# KiCad board openot rev2.kicad_pcb
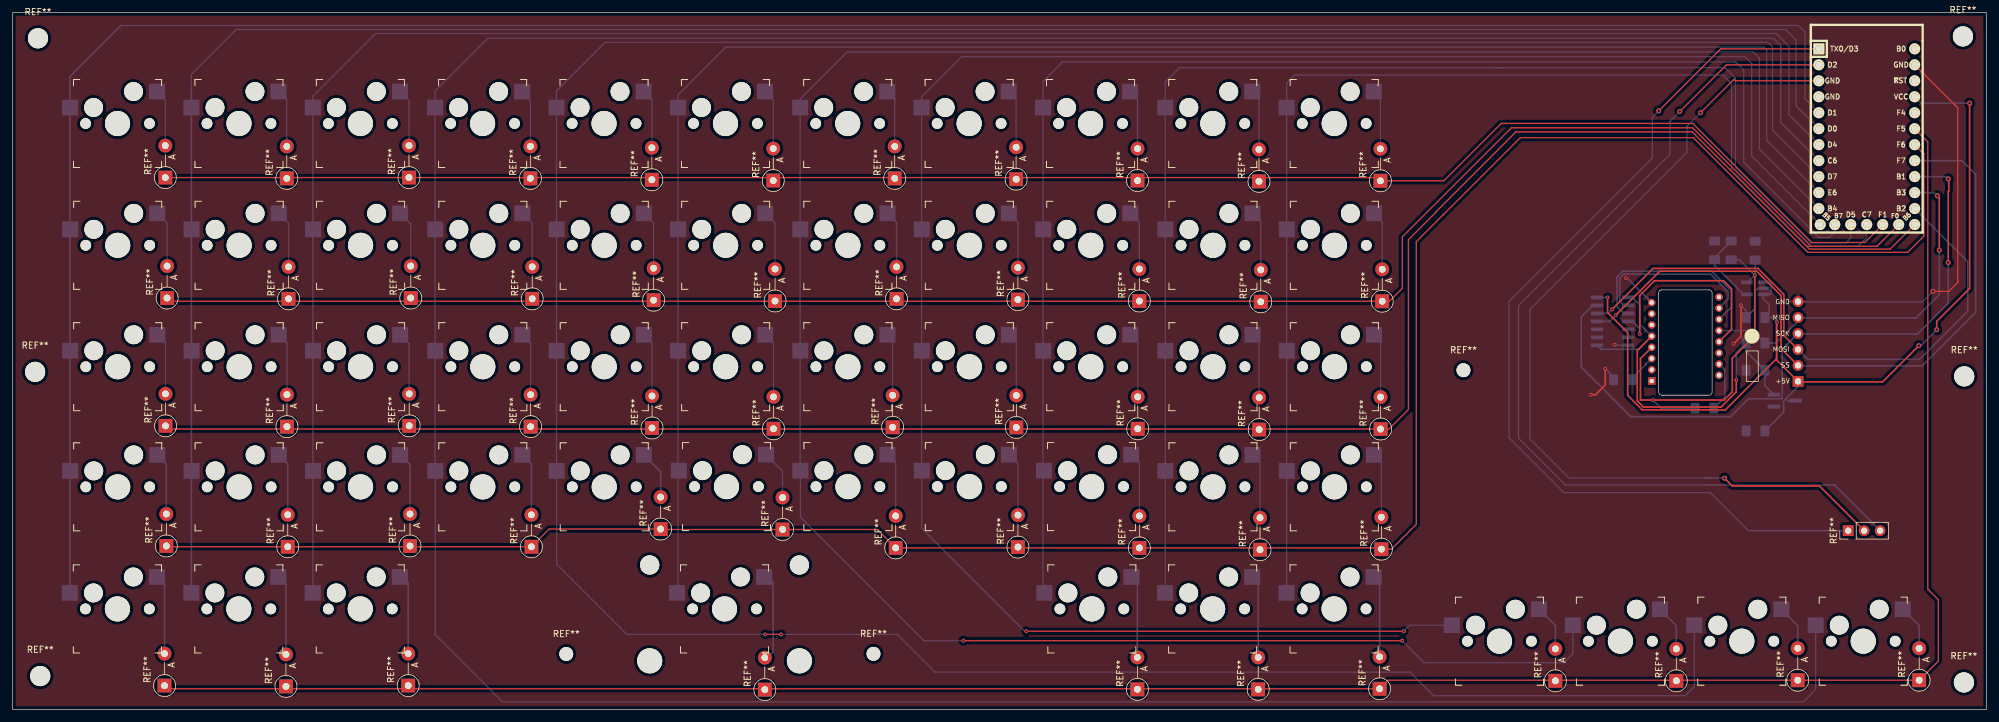
[diagram p0: board, top side]
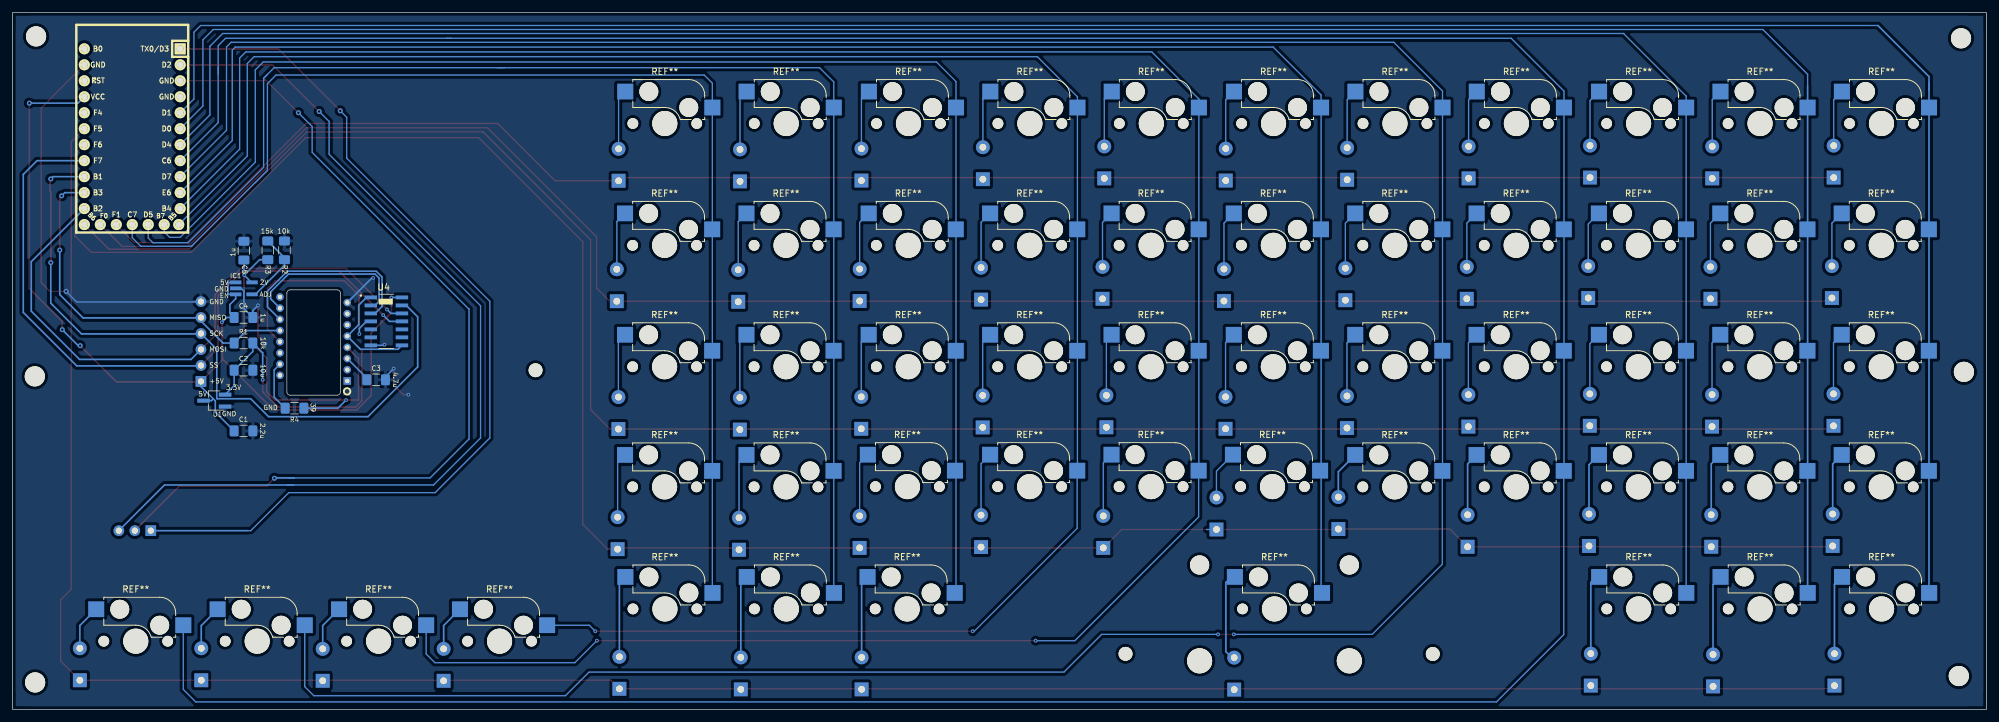
[diagram p1: board, bottom side, seen from below]

Outline 313.79 x 110.79 mm; copper layers: Top, Bottom. Coordinates in mm from the lower left corner of the outline.
Outline path: rectangle 0,110.79 313.79,0 ; 261.68,66.21 arc(261.83,66.56) 262.18,66.71 269.68,66.71 arc(270.04,66.56) 270.18,66.21 270.18,50.46 arc(270.04,50.1) 269.68,49.96 262.18,49.96 arc(261.83,50.1) 261.68,50.46 261.68,66.21
Stack: Top 0.035mm / dielectric 1.51mm FR4 er 4.5 / Bottom 0.035mm

## Placement (name value [footprint] x y rotation side)
C1  2.2uF  [C_1206_3216Metric_Pad1.42x1.75mm_HandSolder]  277.08 44.28 180 bottom
C2  10uF  [C_1206_3216Metric_Pad1.42x1.75mm_HandSolder]  277.08 53.93 180 bottom
C3  4.7uF  [C_1206_3216Metric_Pad1.42x1.75mm_HandSolder]  256 52.41 180 bottom
C4  1uF  [C_1206_3216Metric_Pad1.42x1.75mm_HandSolder]  277.08 62.32 180 bottom
C5  1uF  [C_1206_3216Metric_Pad1.42x1.75mm_HandSolder]  277.02 72.95 90 bottom
IC1  AP7335-WG-7  [AP7331]  277.02 66.95 180 bottom
J1  Conn_01x06_Female  [PinHeader_1x06_P2.54mm_Vertical]  283.85 64.85 0 top
NOREF  -  []  266.42 76.86 0 top
NOREF#2  -  []  265.58 76.75 0 top
R1  10k  [R_1206_3216Metric_Pad1.42x1.75mm_HandSolder]  277.08 58.25 0 bottom
R2  10k  [R_1206_3216Metric_Pad1.42x1.75mm_HandSolder]  270.57 73 90 bottom
R3  15k  [R_1206_3216Metric_Pad1.42x1.75mm_HandSolder]  273.22 73 270 bottom
R4  39  [R_1206_3216Metric_Pad1.42x1.75mm_HandSolder]  268.97 47.9 0 bottom
REF**  -  [Kailh_socket_MX]  94.06 54.49 0 top
REF**#2  -  [D_DO-41_SOD81_P5.08mm_Vertical_AnodeUp]  122.4 28.61 90 top
REF**#3  -  [Kailh_socket_MX]  55.29 93.16 0 top
REF**#4  -  [MountingHole_3.2mm_M3]  310.06 107.01 0 top
REF**#5  -  [Kailh_socket_MX]  55.27 15.98 0 top
REF**#6  -  [D_DO-41_SOD81_P5.08mm_Vertical_AnodeUp]  24.44 25.99 90 top
REF**#7  -  [Kailh_socket_MX]  171.4 54.49 0 top
REF**#8  -  [D_DO-41_SOD81_P5.08mm_Vertical_AnodeUp]  178.87 44.62 90 top
REF**#9  -  [MountingHole_2.2mm_M2]  136.86 8.84 0 top
REF**#10  -  [D_DO-41_SOD81_P5.08mm_Vertical_AnodeUp]  101.63 84.22 90 top
REF**#11  -  [Kailh_socket_MX]  171.58 15.98 0 top
REF**#12  -  [Kailh_socket_MX]  132.8 35.42 0 top
REF**#13  -  [MountingHole_3.2mm_M3]  310.26 52.96 0 top
REF**#14  -  [D_DO-41_SOD81_P5.08mm_Vertical_AnodeUp]  24.57 65.41 90 top
REF**#15  -  [D_DO-41_SOD81_P5.08mm_Vertical_AnodeUp]  178.82 3.19 90 top
REF**#16  -  [D_DO-41_SOD81_P5.08mm_Vertical_AnodeUp]  24.28 84.56 90 top
REF**#17  -  [D_DO-41_SOD81_P5.08mm_Vertical_AnodeUp]  120.96 44.62 90 top
REF**#18  -  [Kailh_socket_MX]  16.72 73.79 0 top
REF**#19  -  [Kailh_socket_MX]  113.36 73.79 0 top
REF**#20  -  [Kailh_socket_MX]  113.18 15.98 0 top
REF**#21  -  [D_DO-41_SOD81_P5.08mm_Vertical_AnodeUp]  217.61 25.48 90 top
REF**#22  -  [D_DO-41_SOD81_P5.08mm_Vertical_AnodeUp]  82.35 44.96 90 top
REF**#23  -  [D_DO-41_SOD81_P5.08mm_Vertical_AnodeUp]  43.87 65.28 90 top
REF**#24  -  [D_DO-41_SOD81_P5.08mm_Vertical_AnodeUp]  103.02 28.68 90 top
REF**#25  -  [Kailh_socket_MX]  210.09 15.98 0 top
REF**#26  -  [D_DO-41_SOD81_P5.08mm_Vertical_AnodeUp]  140.4 25.68 90 top
REF**#27  -  [Kailh_socket_MX]  16.68 93.16 0 top
REF**#28  -  [Kailh_socket_MX]  74.75 73.79 0 top
REF**#29  -  [D_DO-41_SOD81_P5.08mm_Vertical_AnodeUp]  24.31 45.09 90 top
REF**#30  -  [Kailh_socket_MX]  35.97 15.98 0 top
REF**#31  -  [D_DO-41_SOD81_P5.08mm_Vertical_AnodeUp]  62.89 3.79 90 top
REF**#32  -  [D_DO-41_SOD81_P5.08mm_Vertical_AnodeUp]  159.54 84.31 90 top
REF**#33  -  [MountingHole_3.2mm_M3]  3.58 53.67 0 top
REF**#34  -  [D_DO-41_SOD81_P5.08mm_Vertical_AnodeUp]  303.1 4.64 90 top
REF**#35  -  [D_DO-41_SOD81_P5.08mm_Vertical_AnodeUp]  159.82 65.16 90 top
REF**#36  -  [Kailh_socket_MX]  36.02 54.49 0 top
REF**#37  -  [Kailh_socket_MX]  55.32 35.39 0 top
REF**#38  -  [Kailh_socket_MX]  16.72 35.39 0 top
REF**#39  -  [D_DO-41_SOD81_P5.08mm_Vertical_AnodeUp]  43.46 3.66 90 top
REF**#40  -  [Kailh_socket_MX]  190.83 35.39 0 top
REF**#41  -  [Kailh_socket_MX]  36.02 35.39 0 top
REF**#42  -  [D_DO-41_SOD81_P5.08mm_Vertical_AnodeUp]  101.66 44.75 90 top
REF**#43  -  [D_DO-41_SOD81_P5.08mm_Vertical_AnodeUp]  24.16 3.79 90 top
REF**#44  -  [MountingHole_3.2mm_M3]  4.04 106.71 0 top
REF**#45  -  [Kailh_socket_MX]  113.49 35.42 0 top
REF**#46  -  [D_DO-41_SOD81_P5.08mm_Vertical_AnodeUp]  283.8 4.64 90 top
REF**#47  -  [Kailh_socket_MX]  294.21 10.85 0 top
REF**#48  -  [Kailh_socket_MX]  132.76 93.16 0 top
REF**#49  -  [D_DO-41_SOD81_P5.08mm_Vertical_AnodeUp]  245.26 4.55 90 top
REF**#50  -  [D_DO-41_SOD81_P5.08mm_Vertical_AnodeUp]  217.45 84.05 90 top
REF**#51  -  [Kailh_socket_MX]  94.03 93.16 0 top
REF**#52  -  [D_DO-41_SOD81_P5.08mm_Vertical_AnodeUp]  217.74 64.9 90 top
REF**#53  -  [Kailh_socket_MX]  171.4 73.79 0 top
REF**#54  -  [Kailh_socket_MX]  132.79 73.79 0 top
REF**#55  -  [D_DO-41_SOD81_P5.08mm_Vertical_AnodeUp]  159.57 44.84 90 top
REF**#56  -  [D_DO-41_SOD81_P5.08mm_Vertical_AnodeUp]  63.18 25.99 90 top
REF**#57  -  [D_DO-41_SOD81_P5.08mm_Vertical_AnodeUp]  63.02 84.56 90 top
REF**#58  -  [Kailh_socket_MX]  132.79 54.49 0 top
REF**#59  -  [D_DO-41_SOD81_P5.08mm_Vertical_AnodeUp]  179.13 64.94 90 top
REF**#60  -  [Kailh_socket_MX]  74.72 93.16 0 top
REF**#61  -  [Kailh_socket_MX]  74.75 35.39 0 top
REF**#62  -  [Kailh_socket_MX]  190.83 73.79 0 top
REF**#63  -  [Kailh_socket_MX]  55.32 73.79 0 top
REF**#64  -  [Kailh_socket_MX]  210.14 73.79 0 top
REF**#65  -  [Kailh_socket_MX]  210.11 93.16 0 top
REF**#66  -  [D_DO-41_SOD81_P5.08mm_Vertical_AnodeUp]  264.49 4.55 90 top
REF**#67  -  [D_DO-41_SOD81_P5.08mm_Vertical_AnodeUp]  82.61 65.28 90 top
REF**#68  -  [D_DO-41_SOD81_P5.08mm_Vertical_AnodeUp]  198.15 83.96 90 top
REF**#69  -  [Stabilizer_MX_2u]  113.18 15.98 0 top
REF**#70  -  [Kailh_socket_MX]  171.37 93.16 0 top
REF**#71  -  [D_DO-41_SOD81_P5.08mm_Vertical_AnodeUp]  82.32 84.43 90 top
REF**#72  -  [Kailh_socket_MX]  171.53 35.42 0 top
REF**#73  -  [Kailh_socket_MX]  210.14 35.39 0 top
REF**#74  -  [D_DO-41_SOD81_P5.08mm_Vertical_AnodeUp]  178.84 84.09 90 top
REF**#75  -  [PinHeader_1x03_P2.54mm_Vertical]  291.82 28.42 90 top
REF**#76  -  [D_DO-41_SOD81_P5.08mm_Vertical_AnodeUp]  43.62 44.96 90 top
REF**#77  -  [D_DO-41_SOD81_P5.08mm_Vertical_AnodeUp]  198.3 25.39 90 top
REF**#78  -  [Kailh_socket_MX]  55.32 54.49 0 top
REF**#79  -  [D_DO-41_SOD81_P5.08mm_Vertical_AnodeUp]  43.59 84.43 90 top
REF**#80  -  [D_DO-41_SOD81_P5.08mm_Vertical_AnodeUp]  140.24 84.43 90 top
REF**#81  -  [Kailh_socket_MX]  94.06 73.79 0 top
REF**#82  -  [Kailh_socket_MX]  113.33 93.16 0 top
REF**#83  -  [Kailh_socket_MX]  274.91 10.85 0 top
REF**#84  -  [D_DO-41_SOD81_P5.08mm_Vertical_AnodeUp]  121.22 64.94 90 top
REF**#85  -  [D_DO-41_SOD81_P5.08mm_Vertical_AnodeUp]  217.48 44.58 90 top
REF**#86  -  [D_DO-41_SOD81_P5.08mm_Vertical_AnodeUp]  140.52 65.28 90 top
REF**#87  -  [D_DO-41_SOD81_P5.08mm_Vertical_AnodeUp]  179.13 25.68 90 top
REF**#88  -  [D_DO-41_SOD81_P5.08mm_Vertical_AnodeUp]  63.05 45.09 90 top
REF**#89  -  [D_DO-41_SOD81_P5.08mm_Vertical_AnodeUp]  82.48 25.86 90 top
REF**#90  -  [D_DO-41_SOD81_P5.08mm_Vertical_AnodeUp]  63.3 65.41 90 top
REF**#91  -  [Kailh_socket_MX]  74.75 54.49 0 top
REF**#92  -  [Kailh_socket_MX]  255.6 10.85 0 top
REF**#93  -  [Kailh_socket_MX]  152.1 35.42 0 top
REF**#94  -  [Kailh_socket_MX]  152.07 93.16 0 top
REF**#95  -  [D_DO-41_SOD81_P5.08mm_Vertical_AnodeUp]  120.93 84.09 90 top
REF**#96  -  [Kailh_socket_MX]  190.78 15.98 0 top
REF**#97  -  [Kailh_socket_MX]  35.99 93.16 0 top
REF**#98  -  [Kailh_socket_MX]  16.66 15.98 0 top
REF**#99  -  [Kailh_socket_MX]  236.37 10.85 0 top
REF**#100  -  [D_DO-41_SOD81_P5.08mm_Vertical_AnodeUp]  217.32 3.28 90 top
REF**#101  -  [MountingHole_2.2mm_M2]  230.65 53.93 0 top
REF**#102  -  [D_DO-41_SOD81_P5.08mm_Vertical_AnodeUp]  159.83 25.81 90 top
REF**#103  -  [MountingHole_3.2mm_M3]  4.39 5.31 0 top
REF**#104  -  [D_DO-41_SOD81_P5.08mm_Vertical_AnodeUp]  139.9 44.86 90 top
REF**#105  -  [Kailh_socket_MX]  190.83 54.49 0 top
REF**#106  -  [Kailh_socket_MX]  113.36 54.49 0 top
REF**#107  -  [Kailh_socket_MX]  36.02 73.79 0 top
REF**#108  -  [D_DO-41_SOD81_P5.08mm_Vertical_AnodeUp]  198.02 3.19 90 top
REF**#109  -  [D_DO-41_SOD81_P5.08mm_Vertical_AnodeUp]  198.43 64.81 90 top
REF**#110  -  [Kailh_socket_MX]  210.14 54.49 0 top
REF**#111  -  [Kailh_socket_MX]  152.1 73.79 0 top
REF**#112  -  [Kailh_socket_MX]  94.06 35.39 0 top
REF**#113  -  [D_DO-41_SOD81_P5.08mm_Vertical_AnodeUp]  43.75 25.86 90 top
REF**#114  -  [Kailh_socket_MX]  16.72 54.49 0 top
REF**#115  -  [D_DO-41_SOD81_P5.08mm_Vertical_AnodeUp]  101.91 65.07 90 top
REF**#116  -  [MountingHole_2.2mm_M2]  88.02 8.82 0 top
REF**#117  -  [D_DO-41_SOD81_P5.08mm_Vertical_AnodeUp]  198.18 44.49 90 top
REF**#118  -  [D_DO-41_SOD81_P5.08mm_Vertical_AnodeUp]  119.59 3.15 90 top
REF**#119  -  [Kailh_socket_MX]  190.8 93.16 0 top
REF**#120  -  [MountingHole_3.2mm_M3]  310.21 4.29 0 top
REF**#121  -  [Kailh_socket_MX]  152.1 54.49 0 top
U1  -  [Elite-C]  294.77 91.06 270 top
U1#2  XC6206P332MR  [TSOT-23_HandSoldering]  281.72 49.1 0 bottom
U2  PMW3360DM-T2QU  [DIP-16_W10.16mm]  261.68 50.71 0 bottom
U4  TXS0104EDR  [SOIC127P600X175-14N]  254.37 61.7 180 bottom

## Library data of the parts
C1 = -: LCSC: C1858
C2 = -: LCSC: C152957
C3 = -: LCSC: C29823
C4 C5 = -: LCSC: C1926
IC1 = -: Description: LDO Voltage Regulators LDO SOT-25 ADJUSTABLE 300MA; Arrow Part Number: AP7331-WG-7; Arrow Price/Stock: https://www.arrow.com/en/products/ap7331-wg-7/diodes-incorporated?region=nac; Height: 1.45; LCSC: C460382; Manufacturer_Name: Diodes Inc.; Manufacturer_Part_Number: AP7331-WG-7; Mouser Part Number: 621-AP7331-WG-7; Mouser Price/Stock: https://www.mouser.co.uk/ProductDetail/Diodes-Incorporated/AP7331-WG-7?qs=vIZ3oKQCLxr9PiNSCoXN%2FQ%3D%3D
R1 R2 = -: LCSC: C328409
R3 = -: LCSC: C351534
R4 = -: LCSC: C153384
U1#2 = -: LCSC: C347376
U4 = -: LCSC: C79342

## Footprints (pads in the part's own frame, mm; a bottom-side part is the same pattern mirrored in y, then rotated)
AP7331
  rect 1.8x0.6 smd: 1(-1.3,0.95) 2(-1.3,0) 3(-1.3,-0.95) 4(1.3,-0.95) 5(1.3,0.95)
C_1206_3216Metric_Pad1.42x1.75mm_HandSolder
  rrect 1.425x1.75 smd: 1(-1.488,0) 2(1.488,0)
D_DO-41_SOD81_P5.08mm_Vertical_AnodeUp
  rect 2.2x2.2 hole 1.1: 1(0,0)
  oval 2.2x2.2 hole 1.1: 2(5.08,0)
DIP-16_W10.16mm
  rect 1.2x1.2 hole 0.7: 1(-1.1,-1.52)
  round 1.2 hole 0.7: 2(-1.1,-3.3) 3(-1.1,-5.08) 4(-1.1,-6.86) 5(-1.1,-8.64) 6(-1.1,-10.42) 7(-1.1,-12.2) 8(-1.1,-13.98) 9(9.6,-14.87) 10(9.6,-13.09) 11(9.6,-11.31) 12(9.6,-9.53) 13(9.6,-7.75) 14(9.6,-5.97) 15(9.6,-4.19) 16(9.6,-2.41)
Elite-C
  rect 1.753x1.753 hole 1.092: 1(-13.97,-7.62)
  round 1.753 hole 1.092: 2(-11.43,-7.62) 3(-8.89,-7.62) 4(-6.35,-7.62) 5(-3.81,-7.62) 6(-1.27,-7.62) 7(1.27,-7.62) 8(3.81,-7.62) 9(6.35,-7.62) 10(8.89,-7.62) 11(11.43,-7.62) 12(13.97,-7.391) 13(13.97,7.62) 14(11.43,7.62) 15(8.89,7.62) 16(6.35,7.62) 17(3.81,7.62) 18(1.27,7.62) 19(-1.27,7.62) 20(-3.81,7.62) 21(-6.35,7.62) 22(-8.89,7.62) 23(-11.43,7.62) 24(-13.97,7.62) 25(13.97,-5.08) 26(13.97,-2.54) 27(13.97,0) 28(13.97,2.54) 29(13.97,5.08)
Kailh_socket_MX
  round 1.702 hole 1.702 unplated: (-5.08,0) (5.08,0)
  round 3 hole 3 unplated: (-3.81,2.54) (2.54,5.08)
  round 3.988 hole 3.988 unplated: (0,0)
  rect 2.55x2.5 smd far side: 1(6.29,5.08) 2(-7.56,2.54)
MountingHole_2.2mm_M2
  round 2.2 hole 2.2 unplated: (0,0)
MountingHole_3.2mm_M3
  round 3.2 hole 3.2 unplated: (0,0)
PinHeader_1x03_P2.54mm_Vertical
  rect 1.7x1.7 hole 1: 1(0,0)
  oval 1.7x1.7 hole 1: 2(0,-2.54) 3(0,-5.08)
PinHeader_1x06_P2.54mm_Vertical
  oval 1.7x1.7 hole 1: 1(0,0) 2(0,-2.54) 3(0,-5.08) 4(0,-7.62) 5(0,-10.16)
  rect 1.7x1.7 hole 1: 6(0,-12.7)
R_1206_3216Metric_Pad1.42x1.75mm_HandSolder
  rrect 1.425x1.75 smd: 1(-1.488,0) 2(1.488,0)
SOIC127P600X175-14N
  rect 1.97x0.6 smd: 1(-2.475,3.81) 2(-2.475,2.54) 3(-2.475,1.27) 4(-2.475,0) 5(-2.475,-1.27) 6(-2.475,-2.54) 7(-2.475,-3.81) 8(2.475,-3.81) 9(2.475,-2.54) 10(2.475,-1.27) 11(2.475,0) 12(2.475,1.27) 13(2.475,2.54) 14(2.475,3.81)
Stabilizer_MX_2u
  round 3.048 hole 3.048 unplated: (-11.9,6.985) (11.9,6.985)
  round 3.988 hole 3.988 unplated: (-11.9,-8.255) (11.9,-8.255)
TSOT-23_HandSoldering
  rect 2x0.65 smd: 1(-1.71,0.95) 2(-1.71,-0.95) 3(1.71,0)

## Nets
GND: C1.2 C2.2 C3.2 C4.2 C5.2 IC1.2 J1.1 R2.2 U1#2.1 U2.8 U4.7
VDD_2V: C5.1 IC1.5 R3.2 R4.1 U2.4
VDD_3.3V: C2.1 R1.1 U1#2.2 U2.5 U4.1 U4.8
VDD_5V: C1.1 C4.1 IC1.1 IC1.3 J1.6 U1#2.3 U4.14
MISO: J1.2 R1.2 U2.12
MOSI: U2.11 U4.3
MOSI_I: J1.4 U1.14 U4.12
NCS: U2.13 U4.4
NCS_I: J1.5 U4.11
SCLK: U2.10 U4.2
SCLK_I: J1.3 U4.13
Net-(C3-Pad1): C3.1 U2.3
Net-(IC1-Pad4): IC1.4 R2.1 R3.1
Net-(R4-Pad2): R4.2 U2.15

Pads without a net: REF** 1 2; REF**#2 1 2; REF**#3 1 2; REF**#5 1 2; REF**#6 1 2; REF**#7 1 2; REF**#8 1 2; REF**#10 1 2; REF**#11 1 2; REF**#12 1 2; REF**#14 1 2; REF**#15 1 2; REF**#16 1 2; REF**#17 1 2; REF**#18 1 2; REF**#19 1 2; REF**#20 1 2; REF**#21 1 2; REF**#22 1 2; REF**#23 1 2; REF**#24 1 2; REF**#25 1 2; REF**#26 1 2; REF**#27 1 2; REF**#28 1 2; REF**#29 1 2; REF**#30 1 2; REF**#31 1 2; REF**#32 1 2; REF**#34 1 2; REF**#35 1 2; REF**#36 1 2; REF**#37 1 2; REF**#38 1 2; REF**#39 1 2; REF**#40 1 2; REF**#41 1 2; REF**#42 1 2; REF**#43 1 2; REF**#45 1 2; REF**#46 1 2; REF**#47 1 2; REF**#48 1 2; REF**#49 1 2; REF**#50 1 2; REF**#51 1 2; REF**#52 1 2; REF**#53 1 2; REF**#54 1 2; REF**#55 1 2; REF**#56 1 2; REF**#57 1 2; REF**#58 1 2; REF**#59 1 2; REF**#60 1 2; REF**#61 1 2; REF**#62 1 2; REF**#63 1 2; REF**#64 1 2; REF**#65 1 2; REF**#66 1 2; REF**#67 1 2; REF**#68 1 2; REF**#70 1 2; REF**#71 1 2; REF**#72 1 2; REF**#73 1 2; REF**#74 1 2; REF**#75 1 2 3; REF**#76 1 2; REF**#77 1 2; REF**#78 1 2; REF**#79 1 2; REF**#80 1 2; REF**#81 1 2; REF**#82 1 2; REF**#83 1 2; REF**#84 1 2; REF**#85 1 2; REF**#86 1 2; REF**#87 1 2; REF**#88 1 2; REF**#89 1 2; REF**#90 1 2; REF**#91 1 2; REF**#92 1 2; REF**#93 1 2; REF**#94 1 2; REF**#95 1 2; REF**#96 1 2; REF**#97 1 2; REF**#98 1 2; REF**#99 1 2; REF**#100 1 2; REF**#102 1 2; REF**#104 1 2; REF**#105 1 2; REF**#106 1 2; REF**#107 1 2; REF**#108 1 2; REF**#109 1 2; REF**#110 1 2; REF**#111 1 2; REF**#112 1 2; REF**#113 1 2; REF**#114 1 2; REF**#115 1 2; REF**#117 1 2; REF**#118 1 2; REF**#119 1 2; REF**#121 1 2; U1 1 2 3 4 5 6 7 8 9 10 11 12 13 15 16 17 18 19 20 21 22 23 24 25 26 27 28 29; U2 1 2 6 7 9 14 16; U4 5 6 9 10

## Via types
v1: diameter 0.6, hole 0.3, Top to Bottom, 20 vias
v2: diameter 0.8, hole 0.4, Top to Bottom, 12 vias

## Routing (per net, layer and track width the routed paths; a pad name or vN(x,y) marks a point on that pad's centre or on a via; arc(x,y) is an arc through that point)
GND: length 95.5
  Top w0.2: 302.39,102.49 309.25,95.63 309.25,67.89 307.82,66.47 v2(305.28,66.47)
  Top w0.25: v1(273.62,58.15) 274.77,59.3 v1(274.77,64.25) ; v1(253.2,54.19) 253.2,51.59 251.66,50.05 v1(250.87,50.05)
  Bottom w0.2: 283.4,64.78 303.59,64.78 v2(305.28,66.47)
  Bottom w0.25: v1(274.77,64.25) 275.59,63.42 C4.2 277.02,63.74 277.02,66.5 277.47,66.95 IC1.2 ; U4.7 254.78,57.89 v1(254.67,58) ; U2.8 256.67,68.6 v1(256.47,68.6) ; C3.2 254.51,52.88 v1(253.2,54.19)
VDD_2V: length 60.5
  Top w0.25: U2.4 258.79,55.78 258.79,49.18 v1(260.78,49.18) 272.08,49.18 273.4,50.51 273.4,55.84 276.97,59.41 v1(276.97,69.05)
  Bottom w0.25: v1(276.97,69.05) 274.51,71.51 R3.2 ; v1(276.97,69.05) 277.02,69.1 C5.1 ; v1(276.97,69.05) 275.82,67.9 IC1.5 ; R4.1 262.07,47.9 v1(260.78,49.18)
VDD_3.3V: length 64.8
  Top w0.25: U2.5 258.28,57.05 258.28,49.06 259.27,48.07 271.6,48.07 274.03,50.5 v1(274.03,52.41)
  Bottom w0.25: U4.8 252.52,57.26 258.49,57.26 U2.5 258.77,61.16 258.77,64.27 257.53,65.51 U4.1 ; v1(274.03,52.41) 274.03,56.69 R1.1 275.59,56.91 C2.1 278.57,51.48 280,50.05 U1#2.2
VDD_5V: length 159.3
  Top w0.25: 280.44,61.36 280.44,55.77 272.29,47.62 259.08,47.62 256.76,49.94 256.76,59.91 253.57,63.1 v1(253.57,65.5) ; 280.44,61.36 280.52,61.44 v1(280.52,61.55) ; 280.44,61.36 280.44,55.55 J1.6 ; v2(305.89,60.38) 305.89,61.7 311.12,66.93 v2(311.12,96.39) ; v2(303.05,57.84) 297.29,52.08 283.4,52.08
  Bottom w0.25: v2(305.89,60.38) 303.35,57.84 v2(303.05,57.84) ; 302.39,97.41 303.4,96.39 v2(311.12,96.39) ; U4.14 251.91,65.5 v1(253.57,65.5) ; 281.89,49.38 281.56,49.05 281.56,47.28 C1.1 ; 281.89,49.38 282.17,49.1 U1#2.3 ; 281.89,49.38 283.85,51.33 J1.6 ; C4.1 279.25,62.99 279.25,64.37 278.32,65.3 IC1.3 279.47,66 279.55,66.07 279.55,67.82 279.47,67.9 IC1.1 ; C4.1 278.28,62.6 ; C4.1 279.76,62.32 v1(280.52,61.55)
(no net): length 6400.6
  Top w0.2: v2(265.05,95.07) 272.47,102.49 U1.2 ; U1.29 296.39,73.63 285.88,73.63 ; U1.1 271.55,105.03 v2(261.7,95.17) ; U1.28 294.46,74.24 286.03,74.24 267.1,93.17 236.67,93.17 227.55,84.05 REF**#50.1 216.94,84.56 REF**#16.1 ; U1.3 273.89,99.95 273.69,100.15 273.63,100.15 v2(268.35,94.87) ; 227.44,78.65 239.7,90.91 267.18,90.91 285.42,72.67 301.27,72.67 303.86,75.26 303.86,88.32 U1.18 ; 227.44,78.65 223.15,74.36 223.15,29.43 219.21,25.48 REF**#21.1 217.41,25.68 REF**#26.1 137.47,28.61 REF**#2.1 103.1,28.61 REF**#24.1 85.3,28.68 REF**#89.1 24.57,25.86 REF**#6.1 24.95,25.48 ; 227.44,78.65 227.36,78.56 ; REF**#14.1 25.08,64.9 REF**#52.1 218.88,64.9 220.94,66.97 220.94,75.14 238.28,92.48 267.08,92.48 285.88,73.69 ; v1(119.65,11.93) v1(122.15,11.93) ; 285.48,73.64 285.48,73.59 ; v1(161.15,12.43) v1(221.15,12.43) ; REF**#29.1 24.82,44.58 REF**#85.1 218.81,44.58 221.9,47.68 221.9,74.68 226.24,79.01 226.24,79.07 238.99,91.82 267.03,91.82 285.67,73.18 298.48,73.18 U1.13 ; v1(220.9,10.93) v1(151.15,10.93) ; U1.19 304.47,90.25 304.47,19.11 306.15,17.43 306.15,7.7 REF**#34.1 218.69,4.64 REF**#100.1 24.67,3.28 REF**#43.1
  Top w0.25: REF**#75.2 287.25,35.53 273.38,35.53 v2(272.16,36.75)
  Bottom w0.2: 273.89,100.36 273.33,100.91 ; 273.89,100.36 273.89,86.18 285.88,74.19 291.47,74.19 292.23,74.96 U1.26 ; 273.89,100.36 272.21,102.03 235.59,102.03 ; REF**#2.2 122.4,37.88 REF**#45.1 ; REF**#53.1 179.13,77.43 REF**#59.2 ; 276.58,106.71 279.93,106.71 281.1,105.54 281.1,101.07 ; U1.8 281.1,93.29 281.1,101.07 ; REF**#72.1 179.13,39.19 REF**#87.2 ; REF**#62.1 198.43,77.56 REF**#109.2 ; U1.6 283.54,95.94 283.54,106.45 281.89,108.1 35.53,108.1 28.43,101 28.43,99.16 ; REF**#2.1 123.98,28.61 ; REF**#36.1 43.62,58.26 REF**#76.2 ; REF**#110.1 217.48,58.51 REF**#85.2 ; REF**#58.1 139.9,58.75 REF**#104.2 ; REF**#17.2 120.96,58.26 REF**#106.1 ; 57.69,107.47 47.73,97.51 REF**#3.2 47.73,18.54 REF**#5.2 ; 57.69,107.47 280.39,107.47 282.42,105.44 282.42,94.51 U1.7 ; 57.69,107.47 57.63,107.47 ; REF**#29.2 24.31,58.26 REF**#114.1 ; REF**#70.1 178.84,97.06 REF**#74.2 ; REF**#67.2 82.61,77.31 REF**#28.1 ; REF**#57.2 63.02,96.8 REF**#3.1 ; REF**#26.2 140.4,39.19 REF**#12.1 ; REF**#93.1 159.83,39.07 REF**#102.2 ; REF**#54.1 140.52,77.43 REF**#86.2 ; REF**#14.2 24.57,77.31 REF**#18.1 ; REF**.1 101.66,58.26 REF**#42.2 ; v1(119.65,11.93) 97.65,11.93 86.5,23.09 REF**#112.2 86.47,37.96 REF**#51.2 86.47,98.33 94.21,106.07 279.04,106.07 279.78,105.33 279.78,92.07 U1.9 ; REF**#55.2 159.57,58.38 REF**#121.1 ; REF**#48.1 140.24,97.06 REF**#80.2 ; v1(221.15,12.43) 222.11,13.39 REF**#99.2 ; REF**#105.1 198.18,58.51 REF**#117.2 ; 281.1,101.07 281.1,102.13 ; 244.79,106.71 244.07,106.71 ; v2(265.05,95.07) 263.47,93.5 263.47,88.26 239.4,64.19 239.4,43.15 246.86,35.69 270.13,35.69 ; REF**#47.2 286.65,3.18 284.67,1.2 77.88,1.2 67.19,11.89 REF**#61.2 67.16,37.96 REF**#60.2 67.16,98.33 75.54,106.71 244.07,106.71 ; 235.59,102.03 185.51,102.03 183.24,99.77 REF**#119.2 183.24,18.54 REF**#96.2 ; 235.59,102.03 236.76,102.03 ; 244.07,106.71 276.53,106.71 ; REF**#95.2 120.93,96.93 REF**#82.1 ; U1.25 289.69,75.92 288.82,75.06 287.15,75.06 275.21,86.99 275.21,101.68 273.94,102.95 166.92,102.95 163.81,99.84 REF**#70.2 163.81,18.73 REF**#11.2 ; 17.25,108.74 283.9,108.74 284.96,107.67 284.96,97.05 U1.5 ; REF**#63.1 63.3,77.18 REF**#90.2 ; REF**#78.1 63.05,58.13 REF**#88.2 ; REF**#91.1 82.35,58.26 REF**#22.2 ; v2(268.35,94.87) 266.17,92.68 266.17,88.57 241.27,63.68 241.22,63.68 241.22,43 247.42,36.8 269.93,36.8 ; REF**#111.1 159.82,77.43 REF**#35.2 ; U1.10 278.87,90.45 278.87,104.83 278.38,105.31 113.39,105.31 105.77,97.69 REF**#82.2 105.77,18.67 REF**#20.2 ; REF**#94.1 159.54,97.06 REF**#32.2 ; REF**#71.2 82.32,96.93 REF**#60.1 ; v1(161.15,12.43) 160.9,12.43 144.54,28.79 REF**#93.2 144.51,38 REF**#94.2 144.51,97.42 150.88,103.78 275.39,103.78 276.48,102.69 276.48,87.99 U1.12 ; REF**#97.1 43.59,96.93 REF**#79.2 ; v1(122.15,11.93) 140.65,11.93 146.65,5.93 222.15,5.93 225.9,2.18 265.9,2.18 267.35,3.62 REF**#83.2 ; REF**#50.2 217.45,97.18 REF**#65.1 ; REF**#64.1 217.74,77.56 REF**#52.2 ; U1.11 277.7,89.08 277.7,103.56 276.71,104.55 132.69,104.55 125.2,97.06 REF**#48.2 125.2,38 REF**#12.2 125.24,30.6 144.9,10.93 v1(151.15,10.93) 150.9,10.93 ; REF**#119.1 198.15,97.18 REF**#68.2 ; 9.12,99.65 9.12,98.46 ; REF**#10.2 101.63,96.93 REF**#51.1 ; REF**#92.2 248.04,8.82 246.65,7.43 224.4,7.43 v1(220.9,10.93) ; REF**#115.2 101.91,77.31 REF**#81.1 ; 276.38,28.42 275.92,28.42 269.88,34.47 246.61,34.47 237.92,43.15 237.92,64.9 260.68,87.66 260.68,94.16 v2(261.7,95.17) ; REF**#8.2 178.87,58.38 REF**#7.1 ; REF**#27.1 24.28,96.93 REF**#16.2 ; REF**#84.2 121.22,77.31 REF**#19.1 ; REF**#107.1 43.87,77.31 REF**#23.2 ; REF**#77.2 198.3,39.28 REF**#40.1 ; REF**#21.2 217.61,39.28 REF**#73.1 ; U1.27 294.77,75.01 293.4,73.63 285.37,73.63 273.28,85.72 273.28,99.49 271.91,100.86 203.84,100.86 202.55,99.57 REF**#65.2 202.55,18.54 REF**#25.2
  Bottom w0.25: v2(272.16,36.75) 272.11,36.8 269.01,36.8 ; REF**#46.2 283.8,13.33 REF**#83.1 ; REF**#100.2 217.32,20.11 REF**#25.1 ; REF**#66.2 264.49,13.33 REF**#92.1 ; REF**#112.1 103.02,37.79 REF**#24.2 ; REF**#89.2 82.48,39.03 REF**#61.1 ; REF**#30.2 28.43,18.54 REF**#97.2 28.43,99.16 ; REF**#98.1 23.02,21.06 24.16,19.93 REF**#43.2 ; REF**#30.1 43.46,19.86 REF**#39.2 ; REF**#75.3 289.64,35.69 269.16,35.69 ; REF**#15.2 178.82,20.09 178.9,20.18 178.02,21.06 REF**#11.1 ; REF**#96.1 197.9,20.23 197.9,20.18 198.02,20.06 REF**#108.2 ; REF**#56.2 63.18,38.9 REF**#37.1 ; REF**#118.2 119.96,8.23 120.9,9.18 120.9,20.18 120.02,21.06 REF**#20.1 ; REF**#6.2 24.44,39.03 REF**#38.1 ; REF**#75.1 276.38,28.42 ; REF**#34.2 303.1,13.33 REF**#47.1 ; REF**#41.1 43.75,39.03 REF**#113.2 ; 17.25,108.74 9.12,100.62 REF**#27.2 9.12,18.54 REF**#98.2 ; REF**#31.2 62.89,20.17 62.9,20.18 62.02,21.06 REF**#5.1 ; REF**#99.1 245.26,13.33 REF**#49.2
MISO: length 59.5
  Top w0.25: v2(305.99,81.66) 306.3,81.36 v2(306.3,73.02)
  Bottom w0.25: U2.12 276.58,60.24 R1.2 280.34,58.25 283.85,61.76 J1.2 ; 302.39,82.17 305.49,82.17 v2(305.99,81.66) ; 283.4,62.24 302.58,62.24 306.3,65.96 v2(306.3,73.02)
MOSI: length 32.1
  Bottom w0.25: U2.11 273.27,64.01 273.27,66.51 270.11,69.67 255.98,69.67 255.07,68.76 255.07,64.06 256.16,62.97 U4.3
MOSI_I: length 94.7
  Top w0.25: J1.4 281.59,59.48 281.59,65.98 277.46,70.12 260.8,70.12 v1(254.27,63.6)
  Bottom w0.25: v1(254.27,63.6) 253.64,62.97 U4.12 ; U1.14 310.82,71.2 310.82,63.32 303.15,55.65 285.42,55.65 J1.4
NCS: length 34.6
  Top w0.25: v1(258.67,59.7) 258.67,65.8 261.03,68.16 272,68.16 273.27,66.89 273.27,60.45 U2.13
  Bottom w0.25: v1(258.67,59.7) 258.67,60.56 257.53,61.7 U4.4
NCS_I: length 111.1
  Top w0.25: J1.5 281.14,57.39 281.14,65.8 277.27,69.67 261.85,69.67 v1(254.87,62.7)
  Bottom w0.25: v1(254.87,62.7) 253.87,61.7 U4.11 ; 283.4,54.62 303.59,54.62 312.09,63.12 312.09,85.06 309.91,87.25 302.39,87.25
SCLK: length 27.2
  Bottom w0.25: U2.10 272.76,65.28 272.76,66.38 269.92,69.22 256.17,69.22 255.53,68.59 255.53,64.86 256.16,64.24 U4.2
SCLK_I: length 110.7
  Top w0.25: v2(307.72,84.35) 307.82,84.25 307.82,82.42 307.72,82.32 v2(307.72,71.04)
  Bottom w0.25: v2(307.72,71.04) 307.72,64.59 302.83,59.7 283.4,59.7 ; v2(307.72,84.35) 307.37,84.71 302.39,84.71 ; J1.3 281.34,57.26 281.34,49.46 281.27,49.4 275.94,49.4 273.09,46.55 257.29,46.55 249.39,54.44 249.39,62.42 251.21,64.24 U4.13
Net-(C3-Pad1): length 4.7
  Bottom w0.25: U2.3 257.49,52.69 C3.1
Net-(IC1-Pad4): length 12
  Bottom w0.25: R3.1 270.57,71.83 R2.1 270.57,70.61 275.18,66 IC1.4
Net-(R4-Pad2): length 8.1
  Bottom w0.25: U2.15 272.21,53.97 272.21,49.64 R4.2

## Copper pours and planes (outline as drawn; the poured copper is in the pictures)
GND on Top, Bottom: 330.78,-10.56 -21.36,-12.39 -18.36,124.57 330.23,123.35
(no net) on Top: 321.39,-1.82 -11.2,-4.29 -7.9,120.17 321.14,120.22
(no net) on Bottom: 319.89,120.78 322.94,-2.62 -11.2,-3.53 -9.81,121.02

## Text on the board
B.Silkscreen: 10k | GND | 15k | ADJ | 2V | 3.3V | 5V | EN | MISO | MOSI | +5V | SCK | SS | 4.7u | 39 | 1u | 10u | 2.2u
F.Silkscreen: MISO | MOSI | GND | +5V | SCK | SS
